# KiCad board AsicsBoard - 16xBM1366 - 01A.kicad_pcb (continued)
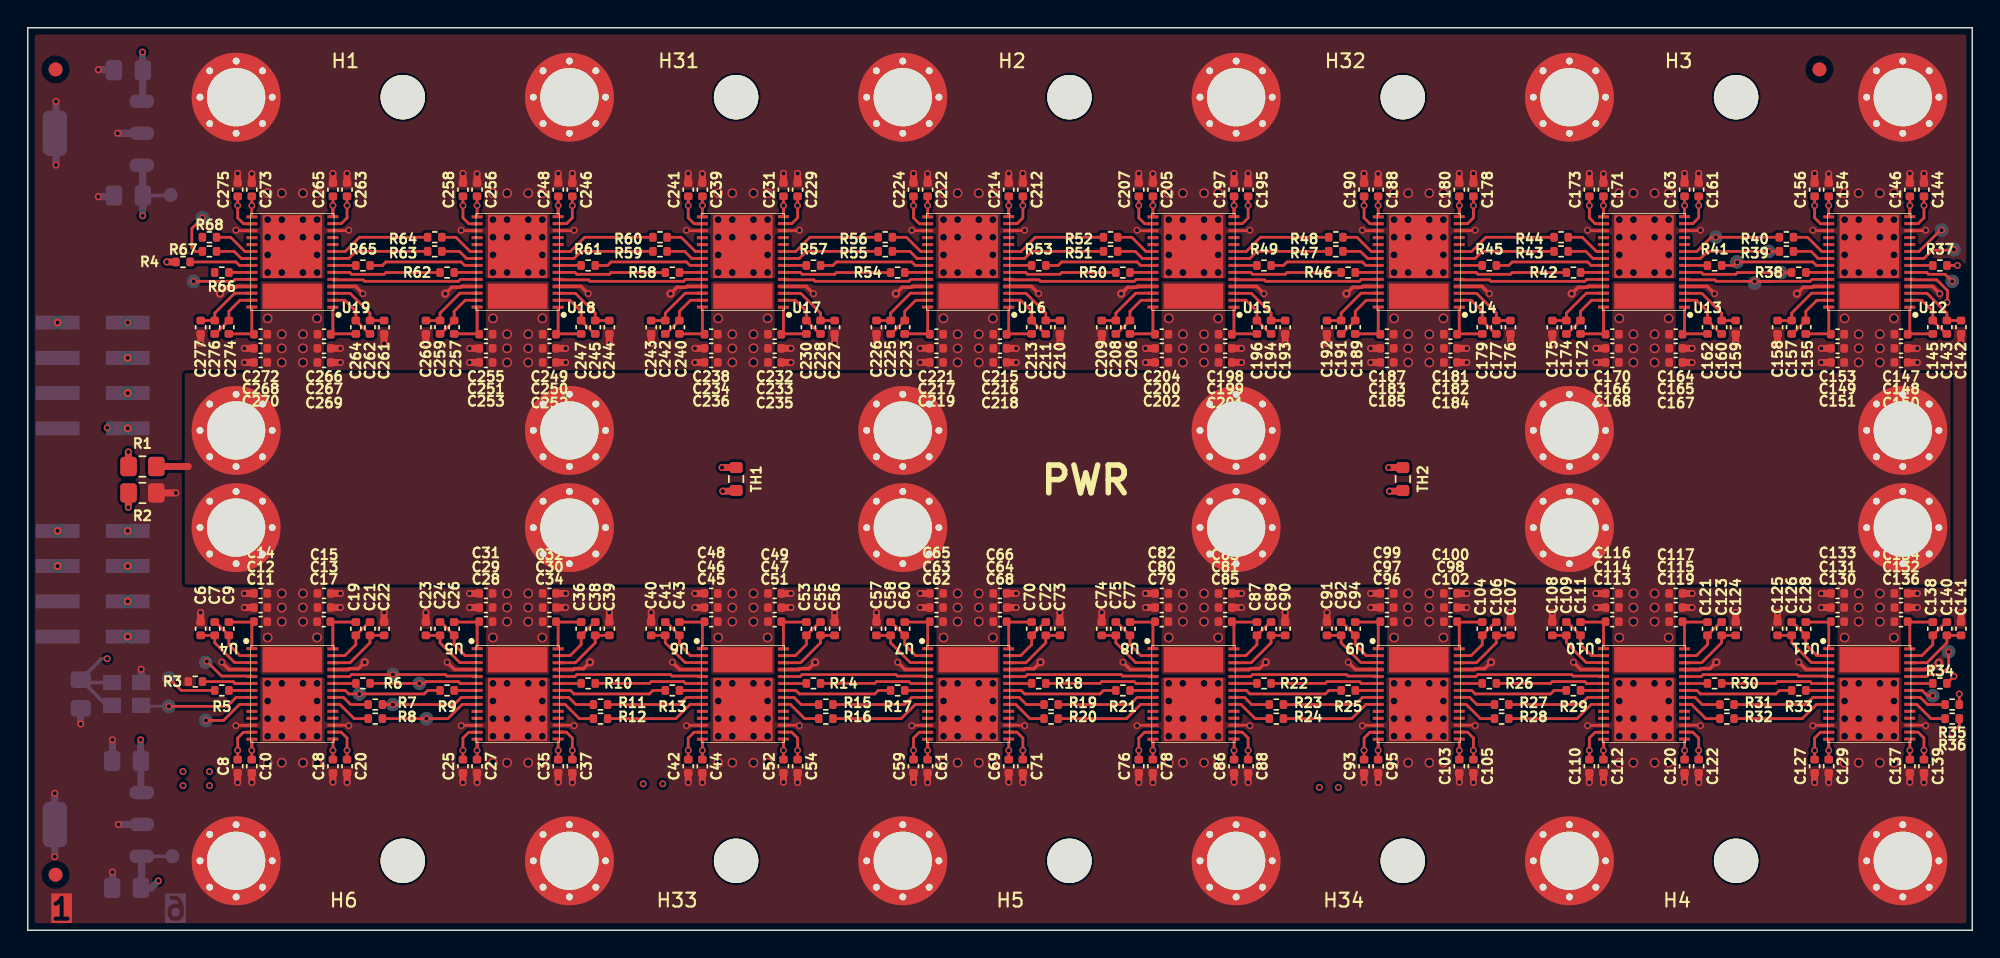
[diagram p0: board, top side]
## Routing (per net, layer and track width the routed paths; a pad name or vN(x,y) marks a point on that pad's centre or on a via; arc(x,y) is an arc through that point) (continued)
/ASICs/ASICs_BM1366_1/BM1366-0/BI: length 5
  Top w0.2: 14.92,17.77 14.78,17.91 ; 14.92,17.77 U4.6 14.92,17.77 ; 14.92,17.77 14.78,17.91 ; 14.78,17.91 R3.2
/ASICs/ASICs_BM1366_1/BM1366-7/BO: length 33.7
  Top w0.2: 138.18,17.78 v1(138.68,18.29) ; U12.6 136.72,47.38 136.85,47.24 138.05,47.24 v1(138.56,46.74)
  In3.Cu w0.2: v1(138.56,46.74) 138.56,46.23 138.73,46.05 138.73,43.61 138.24,43.12 138.24,41.47 138.95,40.75 138.95,24.27 138.24,23.56 138.24,22.23 138.92,21.55 138.92,19.67 138.68,19.43 v1(138.68,18.29)
/ASICs/ASICs_BM1366_1/BM1366-7/CLKO: length 38.3
  Top w0.2: 139.07,16.26 v1(139.07,17.02) 139.06,17.02 ; v1(138.68,49.02) 138.64,48.98 137.12,48.98 136.52,48.38 U12.8
  In2.Cu w0.2: v1(139.07,17.02) 139.06,17.02 139.06,17.53 139.35,17.81 139.35,21.56 138.56,22.35 138.56,23.62 139.06,24.13 139.06,40.89 137.12,42.84 137.12,47.46 v1(138.68,49.02)
/ASICs/ASICs_BM1366_1/BM1366-7/CO: length 42.7
  Top w0.2: v1(138.56,14.22) 139.07,14.73 139.07,15.24 ; v1(137.79,50.42) 137.7,50.42 136.17,48.89 U12.9 135.53,48.91
  In2.Cu w0.2: v1(137.79,50.42) 136.72,49.34 136.72,42.68 138.66,40.73 138.66,24.3 138.16,23.79 138.16,21.99 138.94,21.21 138.94,19.56 138.13,18.75 138.13,16.81 138.56,16.38 v1(138.56,14.22)
/ASICs/ASICs_BM1366_1/BM1366-7/RI: length 36.3
  Top w0.2: v1(137.16,16.89) 136.78,16.89 136.4,17.27 U11.22 ; R37.2 v1(138.94,47.88)
  In3.Cu w0.2: v1(138.94,47.88) 139.19,47.62 139.19,43.43 138.64,42.88 138.64,41.7 139.35,40.99 139.35,24.03 138.64,23.33 138.64,22.39 139.32,21.72 139.32,17.91 139.06,17.65 137.92,17.65 v1(137.16,16.89)
/ASICs/ASICs_BM1366_1/BM1366-7/RSTO_n: length 34.2
  Top w0.2: U12.5 135.54,46.84 137.45,46.84 138.22,46.07 138.22,45.25 v1(138.18,45.22) ; U11.24 136.71,18.27 136.85,18.42 137.75,18.42 138.3,18.96 138.3,20.05 v1(138.31,20.06)
  In3.Cu w0.2: v1(138.18,45.22) 138.18,43.63 137.84,43.28 137.84,41.3 138.55,40.59 138.55,24.43 137.84,23.73 137.84,22.05 138.31,21.58 v1(138.31,20.06)
/ASICs/ASICs_BM1366_1/BO1: length 7.8
  Top w0.2: R6.2 v1(28.19,17.78) 28.54,17.78 28.67,17.91 31,17.91 31.14,17.77 U5.6
/ASICs/ASICs_BM1366_1/BO2: length 7.8
  Top w0.2: R10.2 44.76,17.78 44.89,17.91 47.22,17.91 47.36,17.77 U6.6
/ASICs/ASICs_BM1366_1/BO3: length 7.8
  Top w0.2: R14.2 60.98,17.78 61.11,17.91 63.44,17.91 63.58,17.77 U7.6
/ASICs/ASICs_BM1366_1/BO4: length 7.8
  Top w0.2: U8.6 79.8,17.77 79.66,17.91 77.32,17.91 77.2,17.78 R18.2
/ASICs/ASICs_BM1366_1/BO5: length 7.8
  Top w0.2: R22.2 93.42,17.78 93.54,17.91 95.88,17.91 96.02,17.77 U9.6
/ASICs/ASICs_BM1366_1/BO6: length 7.8
  Top w0.2: U10.6 112.24,17.77 112.1,17.91 109.76,17.91 109.64,17.78 R26.2
/ASICs/ASICs_BM1366_1/BO7: length 7.8
  Top w0.2: R30.2 125.86,17.78 125.98,17.91 128.32,17.91 128.46,17.77 U11.6
/ASICs/ASICs_BM1366_1/CLKO1: length 7
  Top w0.2: 25.53,16.26 v1(26.29,16.26) 30.7,16.26 31.21,16.77 U5.8
/ASICs/ASICs_BM1366_1/CLKO2: length 7
  Top w0.2: R11.2 46.92,16.26 47.43,16.77 U6.8
/ASICs/ASICs_BM1366_1/CLKO3: length 7
  Top w0.2: R15.2 63.14,16.26 63.65,16.77 U7.8
/ASICs/ASICs_BM1366_1/CLKO4: length 7
  Top w0.2: R19.2 79.36,16.26 79.87,16.77 U8.8
/ASICs/ASICs_BM1366_1/CLKO5: length 7
  Top w0.2: R23.2 95.58,16.26 96.09,16.77 U9.8
/ASICs/ASICs_BM1366_1/CLKO6: length 7
  Top w0.2: R27.2 111.8,16.26 112.31,16.77 U10.8
/ASICs/ASICs_BM1366_1/CLKO7: length 7
  Top w0.2: R31.2 128.02,16.26 128.53,16.77 U11.8
/ASICs/ASICs_BM1366_1/CO1: length 7.3
  Top w0.2: 25.53,15.24 v1(28.7,15.24) 30.25,15.24 31.27,16.27 U5.9 32.33,16.24
/ASICs/ASICs_BM1366_1/CO2: length 7.3
  Top w0.2: R12.2 46.66,15.24 47.69,16.27 U6.9 48.55,16.24
/ASICs/ASICs_BM1366_1/CO3: length 7.3
  Top w0.2: R16.2 62.88,15.24 63.91,16.27 U7.9 64.77,16.24
/ASICs/ASICs_BM1366_1/CO4: length 7.3
  Top w0.2: R20.2 79.1,15.24 80.13,16.27 U8.9 80.98,16.24
/ASICs/ASICs_BM1366_1/CO5: length 7.3
  Top w0.2: R24.2 95.32,15.24 96.35,16.27 U9.9 97.2,16.24
/ASICs/ASICs_BM1366_1/CO6: length 7.3
  Top w0.2: R28.2 111.54,15.24 112.57,16.27 U10.9 113.42,16.24
/ASICs/ASICs_BM1366_1/CO7: length 7.3
  Top w0.2: 129.64,16.24 U11.9 128.79,16.27 127.76,15.24 R32.2
/ASICs/ASICs_BM1366_1/RI1: length 7.9
  Top w0.2: U4.22 22.86,17.27 23.11,17.02 v1(23.88,17.02) 28.54,17.02 28.79,17.27 R9.2
/ASICs/ASICs_BM1366_1/RI02: length 7.9
  Top w0.2: R13.2 45.01,17.27 44.76,17.02 39.33,17.02 39.08,17.27 U5.22
/ASICs/ASICs_BM1366_1/RI3: length 7.9
  Top w0.2: R17.2 61.23,17.27 60.98,17.02 55.55,17.02 55.3,17.27 U6.22
/ASICs/ASICs_BM1366_1/RI4: length 7.9
  Top w0.2: R21.2 77.45,17.27 77.2,17.02 71.77,17.02 71.52,17.27 U7.22
/ASICs/ASICs_BM1366_1/RI5: length 7.9
  Top w0.2: U8.22 87.74,17.27 87.99,17.02 93.42,17.02 93.67,17.27 R25.2
/ASICs/ASICs_BM1366_1/RI6: length 7.9
  Top w0.2: U9.22 103.96,17.27 104.21,17.02 109.64,17.02 109.89,17.27 R29.2
/ASICs/ASICs_BM1366_1/RI7: length 7.9
  Top w0.2: U10.22 120.18,17.27 120.43,17.02 125.86,17.02 126.11,17.27 R33.2
/ASICs/ASICs_BM1366_1/RSTO1: length 10.5
  Top w0.2: U4.24 23.17,18.27 23.32,18.42 v1(26.29,18.42) 30.06,18.42 30.17,18.31 32.32,18.31 U5.5
/ASICs/ASICs_BM1366_1/RSTO2: length 10.5
  Top w0.2: U6.5 48.54,18.31 46.39,18.31 46.28,18.42 39.54,18.42 39.39,18.27 U5.24
/ASICs/ASICs_BM1366_1/RSTO3: length 10.5
  Top w0.2: U6.24 55.61,18.27 55.76,18.42 62.5,18.42 62.61,18.31 64.76,18.31 U7.5
/ASICs/ASICs_BM1366_1/RSTO4: length 10.5
  Top w0.2: U7.24 71.83,18.27 71.98,18.42 78.72,18.42 78.83,18.31 80.98,18.31 U8.5
/ASICs/ASICs_BM1366_1/RSTO5: length 10.5
  Top w0.2: U9.5 97.2,18.31 95.05,18.31 94.94,18.42 88.19,18.42 88.05,18.27 U8.24
/ASICs/ASICs_BM1366_1/RSTO6: length 10.5
  Top w0.2: U10.5 113.42,18.31 111.27,18.31 111.16,18.42 104.41,18.42 104.27,18.27 U9.24
/ASICs/ASICs_BM1366_1/RSTO7: length 10.5
  Top w0.2: U11.5 129.64,18.31 127.49,18.31 127.38,18.42 120.63,18.42 120.49,18.27 U10.24
/ASICs/ASICs_BM1366_2/BM1366-7/CLKO: length 3.3
  Top w0.2: v1(12.57,51.31) 11.81,50.55 11.81,49.15 12.06,48.89 R67.2
/ASICs/ASICs_BM1366_2/BM1366-7/RI: length 4.6
  Top w0.2: U19.22 15.24,47.88 14.99,48.13 R4.2
/ASICs/ASICs_BM1366_2/BM1366-7/RSTO_n: length 4.3
  Top w0.2: v1(11.94,46.74) 14.78,46.74 14.93,46.88 U19.24
/ASICs/ASICs_BM1366_2/BO1: length 7.8
  Top w0.2: U13.6 120.5,47.38 120.63,47.24 122.97,47.24 123.1,47.37 v1(126.24,47.37) R38.2
/ASICs/ASICs_BM1366_2/BO2: length 7.8
  Top w0.2: U14.6 104.28,47.38 104.41,47.24 106.75,47.24 106.88,47.37 R42.2
/ASICs/ASICs_BM1366_2/BO3: length 7.8
  Top w0.2: U15.6 88.06,47.38 88.19,47.24 90.53,47.24 90.66,47.37 R46.2
/ASICs/ASICs_BM1366_2/BO4: length 7.8
  Top w0.2: U16.6 71.84,47.38 71.98,47.24 74.31,47.24 74.44,47.37 R50.2
/ASICs/ASICs_BM1366_2/BO5: length 7.8
  Top w0.2: R54.2 58.22,47.37 58.09,47.24 55.76,47.24 55.62,47.38 U17.6
/ASICs/ASICs_BM1366_2/BO6: length 7.8
  Top w0.2: R58.2 42,47.37 41.87,47.24 39.54,47.24 39.4,47.38 U18.6
/ASICs/ASICs_BM1366_2/BO7: length 7.8
  Top w0.2: R62.2 25.78,47.37 25.65,47.24 23.32,47.24 23.18,47.38 U19.6
/ASICs/ASICs_BM1366_2/CLKO1: length 7
  Top w0.2: R39.2 v1(125.35,48.89) 120.94,48.89 120.43,48.38 U13.8
/ASICs/ASICs_BM1366_2/CLKO2: length 7
  Top w0.2: U14.8 104.21,48.38 104.72,48.89 R43.2
/ASICs/ASICs_BM1366_2/CLKO3: length 7
  Top w0.2: R47.2 88.5,48.89 87.99,48.38 U15.8
/ASICs/ASICs_BM1366_2/CLKO4: length 7
  Top w0.2: R51.2 72.28,48.89 71.77,48.38 U16.8
/ASICs/ASICs_BM1366_2/CLKO5: length 7
  Top w0.2: U17.8 55.55,48.38 56.06,48.89 R55.2
/ASICs/ASICs_BM1366_2/CLKO6: length 7
  Top w0.2: U18.8 39.33,48.38 39.84,48.89 R59.2
/ASICs/ASICs_BM1366_2/CLKO7: length 7
  Top w0.2: U19.8 23.11,48.38 23.62,48.89 R63.2
/ASICs/ASICs_BM1366_2/CO1: length 7.3
  Top w0.2: R40.2 v1(121.54,49.91) 121.19,49.91 120.17,48.89 U13.9 119.31,48.91
/ASICs/ASICs_BM1366_2/CO2: length 7.3
  Top w0.2: R44.2 104.97,49.91 103.95,48.89 U14.9 103.09,48.91
/ASICs/ASICs_BM1366_2/CO3: length 7.3
  Top w0.2: R48.2 88.75,49.91 87.73,48.89 U15.9 86.87,48.91
/ASICs/ASICs_BM1366_2/CO4: length 7.3
  Top w0.2: R52.2 72.54,49.91 71.51,48.89 U16.9 70.65,48.91
/ASICs/ASICs_BM1366_2/CO5: length 7.3
  Top w0.2: 54.43,48.91 U17.9 55.29,48.89 56.32,49.91 R56.2
/ASICs/ASICs_BM1366_2/CO6: length 7.3
  Top w0.2: 38.21,48.91 U18.9 39.07,48.89 40.1,49.91 R60.2
/ASICs/ASICs_BM1366_2/CO7: length 7.3
  Top w0.2: R64.2 23.88,49.91 22.85,48.89 U19.9 21.99,48.91
/ASICs/ASICs_BM1366_2/RI1: length 7.9
  Top w0.2: R41.2 122.85,47.88 v1(123.08,48.11) 123.1,48.13 128.52,48.13 128.78,47.88 U12.22
/ASICs/ASICs_BM1366_2/RI02: length 7.9
  Top w0.2: R45.2 106.63,47.88 106.88,48.13 112.3,48.13 112.56,47.88 U13.22
/ASICs/ASICs_BM1366_2/RI3: length 7.9
  Top w0.2: R49.2 90.41,47.88 90.66,48.13 96.08,48.13 96.34,47.88 U14.22
/ASICs/ASICs_BM1366_2/RI4: length 7.9
  Top w0.2: R53.2 74.19,47.88 74.44,48.13 79.86,48.13 80.12,47.88 U15.22
/ASICs/ASICs_BM1366_2/RI5: length 7.9
  Top w0.2: U16.22 63.9,47.88 63.65,48.13 58.22,48.13 57.97,47.88 R57.2
/ASICs/ASICs_BM1366_2/RI6: length 7.9
  Top w0.2: R61.2 41.75,47.88 42,48.13 47.43,48.13 47.68,47.88 U17.22
/ASICs/ASICs_BM1366_2/RI7: length 7.9
  Top w0.2: U18.22 31.46,47.88 31.21,48.13 25.78,48.13 25.53,47.88 R65.2
/ASICs/ASICs_BM1366_2/RSTO1: length 11.6
  Top w0.2: U12.24 128.46,46.88 128.32,46.74 v1(124.33,46.74) ; 125.48,46.74 121.58,46.74 121.47,46.84 119.32,46.84 U13.5
/ASICs/ASICs_BM1366_2/RSTO2: length 10.5
  Top w0.2: U13.24 112.24,46.88 112.1,46.74 105.36,46.74 105.25,46.84 103.1,46.84 U14.5
/ASICs/ASICs_BM1366_2/RSTO3: length 10.5
  Top w0.2: U14.24 96.02,46.88 95.88,46.74 89.14,46.74 89.03,46.84 86.88,46.84 U15.5
/ASICs/ASICs_BM1366_2/RSTO4: length 10.5
  Top w0.2: U16.5 70.66,46.84 72.81,46.84 72.92,46.74 79.66,46.74 79.8,46.88 U15.24
/ASICs/ASICs_BM1366_2/RSTO5: length 10.5
  Top w0.2: U16.24 63.59,46.88 63.44,46.74 56.7,46.74 56.59,46.84 54.44,46.84 U17.5
/ASICs/ASICs_BM1366_2/RSTO6: length 10.5
  Top w0.2: U17.24 47.37,46.88 47.22,46.74 40.48,46.74 40.37,46.84 38.22,46.84 U18.5
/ASICs/ASICs_BM1366_2/RSTO7: length 10.5
  Top w0.2: U19.5 22,46.84 24.15,46.84 24.26,46.74 31,46.74 31.15,46.88 U18.24
/CI: length 32.2
  Top w0.2: v1(12.83,15.11) 14.1,15.11 15.25,16.27 U4.9
  In2.Cu w0.25: v1(12.83,15.11) 12.83,17.78 9.4,21.21 9.4,39.03 v2(7.19,41.23)
/CLKI: length 8.3
  Top w0.2: 10.07,16.13 v1(10.16,16.13) 14.35,16.13 14.99,16.77 U4.8
  Bottom w0.2: v1(10.16,16.13) 8.23,16.13
/CTN1: length 81.1
  Top w0.5: 51.18,31.62 v1(50.04,31.62)
  In2.Cu w0.2: v1(45.72,10.54) 44.87,9.69 13.81,9.69 v1(13.08,10.41)
  In3.Cu w0.2: v1(45.72,10.54) 45.72,23.4 50.04,27.72 v1(50.04,31.62) ; v2(7.19,23.69) 2.54,19.03 2.54,13.73 3.97,12.3 11.19,12.3 v1(13.08,10.41)
/CTN1_RTN: length 79.6
  Top w0.5: 51.13,33.33 v1(49.99,33.33)
  In2.Cu w0.2: v1(13.08,11.43) 14.42,10.09 42.73,10.09 43.18,10.54 v1(44.31,10.54)
  In3.Cu w0.2: v1(49.99,33.33) 48.89,32.23 48.89,28.32 44.31,23.74 v1(44.31,10.54) ; v2(7.19,21.15) 5.22,21.15 2.94,18.87 2.94,13.9 4.14,12.7 11.81,12.7 v1(13.08,11.43)
/CTN2: length 137.6
  Top w0.5: 99.19,31.62 v1(98.05,31.62)
  In2.Cu w0.2: v1(94.36,10.29) 93.34,9.27 47.3,9.27 46.92,8.89 12.76,8.89 11.24,10.41 v1(11.18,10.41)
  In3.Cu w0.2: v2(7.19,28.77) 1.27,22.84 1.27,12.95 3.19,11.03 10.56,11.03 v1(11.18,10.41) ; v1(98.05,31.62) 98.05,27.44 94.36,23.75 v1(94.36,10.29)
/CTN2_RTN: length 136.1
  Top w0.5: 99.13,33.33 v1(97.99,33.33)
  In2.Cu w0.2: v1(11.18,11.43) 13.32,9.29 46.75,9.29 47.14,9.67 90.95,9.67 91.57,10.29 v1(92.99,10.29)
  In3.Cu w0.2: v1(97.99,33.33) 96.9,32.23 96.9,27.69 92.99,23.78 v1(92.99,10.29) ; v2(7.19,26.23) 5.22,26.23 1.67,22.68 1.67,13.12 3.36,11.43 v1(11.18,11.43)
/RO: length 25.4
  Top w0.2: v1(10.16,18.16) 11.05,17.27 R5.2
  In2.Cu w0.25: v2(7.19,38.69) 8.38,37.5 8.38,19.94 v1(10.16,18.16)
/RSTIn: length 30.5
  Top w0.2: U4.5 16.1,18.31 13.95,18.31 v1(12.89,19.37)
  In2.Cu w0.25: v1(7.19,43.77) 9.91,41.06 9.91,22.35 v1(12.89,19.37)
/VSN: length 7.9
  Top w0.5: 7.24,31.48 v1(7.24,30.45)
  In3.Cu w0.5: v2(2.14,26.23) 6.37,30.45 v1(7.24,30.45)
/VSP: length 8.8
  Top w0.5: 7.24,33.42 v1(7.24,34.44)
  In3.Cu w0.5: v2(2.14,28.77) 7.24,33.86 v1(7.24,34.44)
VPWR_ASIC: length 2.3
  Top w0.5: R1.1 11.56,33.4
  vias: v3(17.27,44.07) v3(17.27,21.08) v3(18.29,42.93) v3(18.29,41.91) v3(18.29,40.89) v3(18.29,24.26) v3(18.29,23.24) v3(18.29,22.22) v3(19.81,42.93) v3(19.81,41.91) v3(19.81,40.89) v3(19.81,24.26) v3(19.81,23.24) v3(19.81,22.22) v3(20.83,44.07) v3(20.83,21.08) v3(33.49,44.07) v3(33.49,21.08) v3(34.51,42.93) v3(34.51,41.91) v3(34.51,40.89) v3(34.51,24.26) v3(34.51,23.24) v3(34.51,22.22) v3(36.03,42.93) v3(36.03,41.91) v3(36.03,40.89) v3(36.03,24.26) v3(36.03,23.24) v3(36.03,22.22) v3(37.05,44.07) v3(37.05,21.08) v3(49.71,44.07) v3(49.71,21.08) v3(50.73,42.93) v3(50.73,41.91) v3(50.73,40.89) v3(50.73,24.26) v3(50.73,23.24) v3(50.73,22.22) v3(52.25,42.93) v3(52.25,41.91) v3(52.25,40.89) v3(52.25,24.26) v3(52.25,23.24) v3(52.25,22.22) v3(53.27,44.07) v3(53.27,21.08) v3(65.93,44.07) v3(65.93,21.08) v3(66.95,42.93) v3(66.95,41.91) v3(66.95,40.89) v3(66.95,24.26) v3(66.95,23.24) v3(66.95,22.22) v3(68.47,42.93) v3(68.47,41.91) v3(68.47,40.89) v3(68.47,24.26) v3(68.47,23.24) v3(68.47,22.22) v3(69.49,44.07) v3(69.49,21.08) v3(82.15,44.07) v3(82.15,21.08) v3(83.17,42.93) v3(83.17,41.91) v3(83.17,40.89) v3(83.17,24.26) v3(83.17,23.24) v3(83.17,22.22) v3(84.69,42.93) v3(84.69,41.91) v3(84.69,40.89) v3(84.69,24.26) v3(84.69,23.24) v3(84.69,22.22) v3(85.71,44.07) v3(85.71,21.08) v3(98.37,44.07) v3(98.37,21.08) v3(99.39,42.93) v3(99.39,41.91) v3(99.39,40.89) v3(99.39,24.26) v3(99.39,23.24) v3(99.39,22.22) v3(100.91,42.93) v3(100.91,41.91) v3(100.91,40.89) v3(100.91,24.26) v3(100.91,23.24) v3(100.91,22.22) v3(101.93,44.07) v3(101.93,21.08) v3(114.59,44.07) v3(114.59,21.08) v3(115.61,42.93) v3(115.61,41.91) v3(115.61,40.89) v3(115.61,24.26) v3(115.61,23.24) v3(115.61,22.22) v3(117.13,42.93) v3(117.13,41.91) v3(117.13,40.89) v3(117.13,24.26) v3(117.13,23.24) v3(117.13,22.22) v3(118.15,44.07) v3(118.15,21.08) v3(130.81,44.07) v3(130.81,21.08) v3(131.83,42.93) v3(131.83,41.91) v3(131.83,40.89) v3(131.83,24.26) v3(131.83,23.24) v3(131.83,22.22) v3(133.35,42.93) v3(133.35,41.91) v3(133.35,40.89) v3(133.35,24.26) v3(133.35,23.24) v3(133.35,22.22) v3(134.37,44.07) v3(134.37,21.08)
Net-(U4-BO): length 1.6
  Top w0.2: U4.23 23.61,17.77
Net-(U4-CLKO): length 2.8
  Top w0.2: R7.1 23.24,16.26 22.73,16.77 U4.21
Net-(U4-CO): length 3.1
  Top w0.2: 24.64,15.24 23.49,15.24 22.47,16.27 U4.20
Net-(U4-RO): length 1.7
  Top w0.2: U4.7 14.48,17.27
Net-(U5-BO): length 1.6
  Top w0.2: U5.23 39.83,17.77
Net-(U5-CLKO): length 2.8
  Top w0.2: R11.1 39.46,16.26 38.95,16.77 U5.21
Net-(U5-CO): length 3.1
  Top w0.2: U5.20 38.69,16.27 39.71,15.24 40.86,15.24
Net-(U5-RO): length 1.7
  Top w0.2: U5.7 30.7,17.27
Net-(U6-BO): length 1.6
  Top w0.2: U6.23 56.05,17.77
Net-(U6-CLKO): length 2.8
  Top w0.2: U6.21 55.17,16.77 55.68,16.26 R15.1
Net-(U6-CO): length 3.1
  Top w0.2: U6.20 54.91,16.27 55.93,15.24 57.08,15.24
Net-(U6-RO): length 1.7
  Top w0.2: U6.7 46.92,17.27
Net-(U7-BO): length 1.6
  Top w0.2: U7.23 72.27,17.77
Net-(U7-CLKO): length 2.8
  Top w0.2: U7.21 71.39,16.77 71.9,16.26 R19.1
Net-(U7-CO): length 3.1
  Top w0.2: U7.20 71.13,16.27 72.15,15.24 73.3,15.24
Net-(U7-RO): length 1.7
  Top w0.2: U7.7 63.14,17.27
Net-(U8-BO): length 1.6
  Top w0.2: U8.23 88.49,17.77
Net-(U8-CLKO): length 2.8
  Top w0.2: R23.1 88.12,16.26 87.61,16.77 U8.21
Net-(U8-CO): length 3.1
  Top w0.2: 89.52,15.24 88.37,15.24 87.35,16.27 U8.20
Net-(U8-RO): length 1.7
  Top w0.2: U8.7 79.36,17.27
Net-(U9-BO): length 1.6
  Top w0.2: U9.23 104.71,17.77
Net-(U9-CLKO): length 2.8
  Top w0.2: U9.21 103.83,16.77 104.34,16.26 R27.1
Net-(U9-CO): length 3.1
  Top w0.2: U9.20 103.57,16.27 104.59,15.24 105.74,15.24
Net-(U9-RO): length 1.7
  Top w0.2: U9.7 95.58,17.27
Net-(U10-BO): length 1.6
  Top w0.2: U10.23 120.93,17.77
Net-(U10-CLKO): length 2.8
  Top w0.2: R31.1 120.56,16.26 120.05,16.77 U10.21
Net-(U10-CO): length 3.1
  Top w0.2: 121.96,15.24 120.81,15.24 119.79,16.27 U10.20
Net-(U10-RO): length 1.7
  Top w0.2: U10.7 111.8,17.27
Net-(U11-BO): length 1.6
  Top w0.2: U11.23 137.15,17.77
Net-(U11-CLKO): length 2.8
  Top w0.2: U11.21 136.27,16.77 136.78,16.26 R35.1
Net-(U11-CO): length 3.1
  Top w0.2: U11.20 136.01,16.27 137.03,15.24 138.18,15.24
Net-(U11-RO): length 1.7
  Top w0.2: U11.7 128.02,17.27
Net-(U12-BO): length 1.6
  Top w0.2: U12.23 128.03,47.38
Net-(U12-CLKO): length 2.8
  Top w0.2: R39.1 128.4,48.89 128.91,48.38 U12.21
Net-(U12-CO): length 3.1
  Top w0.2: 127,49.91 128.15,49.91 129.17,48.89 U12.20
Net-(U12-RO): length 1.7
  Top w0.2: U12.7 137.16,47.88
Net-(U13-BO): length 1.6
  Top w0.2: U13.23 111.81,47.38
Net-(U13-CLKO): length 2.8
  Top w0.2: U13.21 112.69,48.38 112.18,48.89 R43.1
Net-(U13-CO): length 3.1
  Top w0.2: U13.20 112.95,48.89 111.93,49.91 110.78,49.91
Net-(U13-RO): length 1.7
  Top w0.2: U13.7 120.94,47.88
Net-(U14-BO): length 1.6
  Top w0.2: U14.23 95.59,47.38
Net-(U14-CLKO): length 2.8
  Top w0.2: R47.1 95.96,48.89 96.47,48.38 U14.21
Net-(U14-CO): length 3.1
  Top w0.2: 94.56,49.91 95.71,49.91 96.73,48.89 U14.20
Net-(U14-RO): length 1.7
  Top w0.2: U14.7 104.72,47.88
Net-(U15-BO): length 1.6
  Top w0.2: U15.23 79.37,47.38
Net-(U15-CLKO): length 2.8
  Top w0.2: R51.1 79.74,48.89 80.25,48.38 U15.21
Net-(U15-CO): length 3.1
  Top w0.2: 78.34,49.91 79.49,49.91 80.51,48.89 U15.20
Net-(U15-RO): length 1.7
  Top w0.2: U15.7 88.5,47.88
Net-(U16-BO): length 1.6
  Top w0.2: U16.23 63.15,47.38
Net-(U16-CLKO): length 2.8
  Top w0.2: R55.1 63.52,48.89 64.03,48.38 U16.21
Net-(U16-CO): length 3.1
  Top w0.2: U16.20 64.29,48.89 63.27,49.91 62.12,49.91
Net-(U16-RO): length 1.7
  Top w0.2: U16.7 72.28,47.88
Net-(U17-BO): length 1.6
  Top w0.2: U17.23 46.93,47.38
Net-(U17-CLKO): length 2.8
  Top w0.2: R59.1 47.3,48.89 47.81,48.38 U17.21
Net-(U17-CO): length 3.1
  Top w0.2: U17.20 48.07,48.89 47.05,49.91 45.9,49.91
Net-(U17-RO): length 1.7
  Top w0.2: U17.7 56.06,47.88
Net-(U18-BO): length 1.6
  Top w0.2: U18.23 30.71,47.38
Net-(U18-CLKO): length 2.8
  Top w0.2: R63.1 31.08,48.89 31.59,48.38 U18.21
Net-(U18-CO): length 3.1
  Top w0.2: U18.20 31.85,48.89 30.83,49.91 29.68,49.91
Net-(U18-RO): length 1.7
  Top w0.2: U18.7 39.84,47.88
Net-(U19-BO): length 1.6
  Top w0.2: U19.23 14.49,47.38
Net-(U19-CLKO): length 2.8
  Top w0.2: U19.21 15.37,48.38 14.86,48.89 R67.1
Net-(U19-CO): length 3.1
  Top w0.2: U19.20 15.63,48.89 14.61,49.91 13.46,49.91
Net-(U19-RO): length 1.7
  Top w0.2: U19.7 23.62,47.88

## Copper pours and planes (outline as drawn; the poured copper is in the pictures)
GND on Top, Bottom, In1.Cu, In2.Cu, In3.Cu, In4.Cu: 0.51,0.51 139.57,0.51 139.57,64.52 0.51,64.52
GND on Top, Bottom, In4.Cu: 97.86,18.16 97.86,11.56 102.43,11.56 102.43,18.16
GND on Top, Bottom, In4.Cu: 21.34,46.99 21.34,53.59 16.76,53.59 16.76,46.99
GND on Top, Bottom, In4.Cu: 16.76,18.16 16.76,11.56 21.34,11.56 21.34,18.16
GND on Top, Bottom, In4.Cu: 102.43,46.99 102.43,53.59 97.86,53.59 97.86,46.99
GND on Top, Bottom, In4.Cu: 134.87,46.99 134.87,53.59 130.3,53.59 130.3,46.99
GND on Top, Bottom, In4.Cu: 130.3,18.16 130.3,11.56 134.87,11.56 134.87,18.16
GND on Top, Bottom, In4.Cu: 70,46.99 70,53.59 65.42,53.59 65.42,46.99
GND on Top, Bottom, In4.Cu: 114.08,18.16 114.08,11.56 118.65,11.56 118.65,18.16
GND on Top, Bottom, In4.Cu: 65.42,18.16 65.42,11.56 70,11.56 70,18.16
GND on Top, Bottom, In4.Cu: 32.98,18.16 32.98,11.56 37.56,11.56 37.56,18.16
GND on Top, Bottom, In4.Cu: 49.2,18.16 49.2,11.56 53.78,11.56 53.78,18.16
GND on Top, Bottom, In4.Cu: 86.21,46.99 86.21,53.59 81.64,53.59 81.64,46.99
GND on Top, Bottom, In4.Cu: 53.78,46.99 53.78,53.59 49.2,53.59 49.2,46.99
GND on Top, Bottom, In4.Cu: 81.64,18.16 81.64,11.56 86.21,11.56 86.21,18.16
GND on Top, Bottom, In4.Cu: 118.65,46.99 118.65,53.59 114.08,53.59 114.08,46.99
GND on Top, Bottom, In4.Cu: 37.56,46.99 37.56,53.59 32.98,53.59 32.98,46.99
VPWR_ASIC on Top, Bottom, In1.Cu, In2.Cu: 130.3,46.74 130.3,40.13 134.87,40.13 134.87,46.74
VPWR_ASIC on Top, Bottom, In1.Cu, In2.Cu: 32.98,46.74 32.98,40.13 37.56,40.13 37.56,46.74
VPWR_ASIC on Top, Bottom, In1.Cu, In2.Cu: 114.08,46.74 114.08,40.13 118.65,40.13 118.65,46.74
VPWR_ASIC on Top, Bottom, In1.Cu, In2.Cu: 86.21,18.42 86.21,25.02 81.64,25.02 81.64,18.42
VPWR_ASIC on Top, Bottom, In1.Cu, In2.Cu: 97.86,46.74 97.86,40.13 102.43,40.13 102.43,46.74
VPWR_ASIC on Top, Bottom, In1.Cu, In2.Cu: 81.64,46.74 81.64,40.13 86.21,40.13 86.21,46.74
VPWR_ASIC on Top, Bottom, In1.Cu, In2.Cu: 37.56,18.42 37.56,25.02 32.98,25.02 32.98,18.42
VPWR_ASIC on Top, Bottom, In1.Cu, In2.Cu: 16.76,46.74 16.76,40.13 21.34,40.13 21.34,46.74
VPWR_ASIC on Top, Bottom, In1.Cu, In2.Cu: 102.43,18.42 102.43,25.02 97.86,25.02 97.86,18.42
VPWR_ASIC on Top, Bottom, In1.Cu, In2.Cu: 118.65,18.42 118.65,25.02 114.08,25.02 114.08,18.42
VPWR_ASIC on Top, Bottom, In1.Cu, In2.Cu: 21.34,18.42 21.34,25.02 16.76,25.02 16.76,18.42
VPWR_ASIC on Top, Bottom, In1.Cu, In2.Cu: 53.78,18.42 53.78,25.02 49.2,25.02 49.2,18.42
VPWR_ASIC on Top, Bottom, In1.Cu, In2.Cu: 49.2,46.74 49.2,40.13 53.78,40.13 53.78,46.74
VPWR_ASIC on Top, Bottom, In1.Cu, In2.Cu: 134.87,18.42 134.87,25.02 130.3,25.02 130.3,18.42
VPWR_ASIC on Top, Bottom, In1.Cu, In2.Cu: 70,18.42 70,25.02 65.42,25.02 65.42,18.42
VPWR_ASIC on Top, Bottom, In1.Cu, In2.Cu: 65.42,46.74 65.42,40.13 70,40.13 70,46.74
VPWR_ASIC on Top, In1.Cu, In2.Cu: 11.3,40.13 138.43,40.13 138.43,24.89 11.3,24.89

## Text on the board
Bottom: 6
B.Silkscreen: U1
Top: 1
F.Mask: ASICboard 16xBM1366 - 01A | EKO_Miner Phil31 2024.11
F.Silkscreen: PWR
In1.Cu: 2
In2.Cu: 3
In3.Cu: 4
In4.Cu: 5
